# Altium PCB m2m V100.PcbDoc (part 2 of 2)
Units mil, origin at the board's own origin, x right, y up, seen from the top; angles counter-clockwise.
Board outline 4340.39 x 2650.03 mil, 2 copper layers (Top Layer, Bottom Layer); 190 components, 139 nets, 639 pads, 131 vias.
Unrouted connection lines stored in the file: 9.
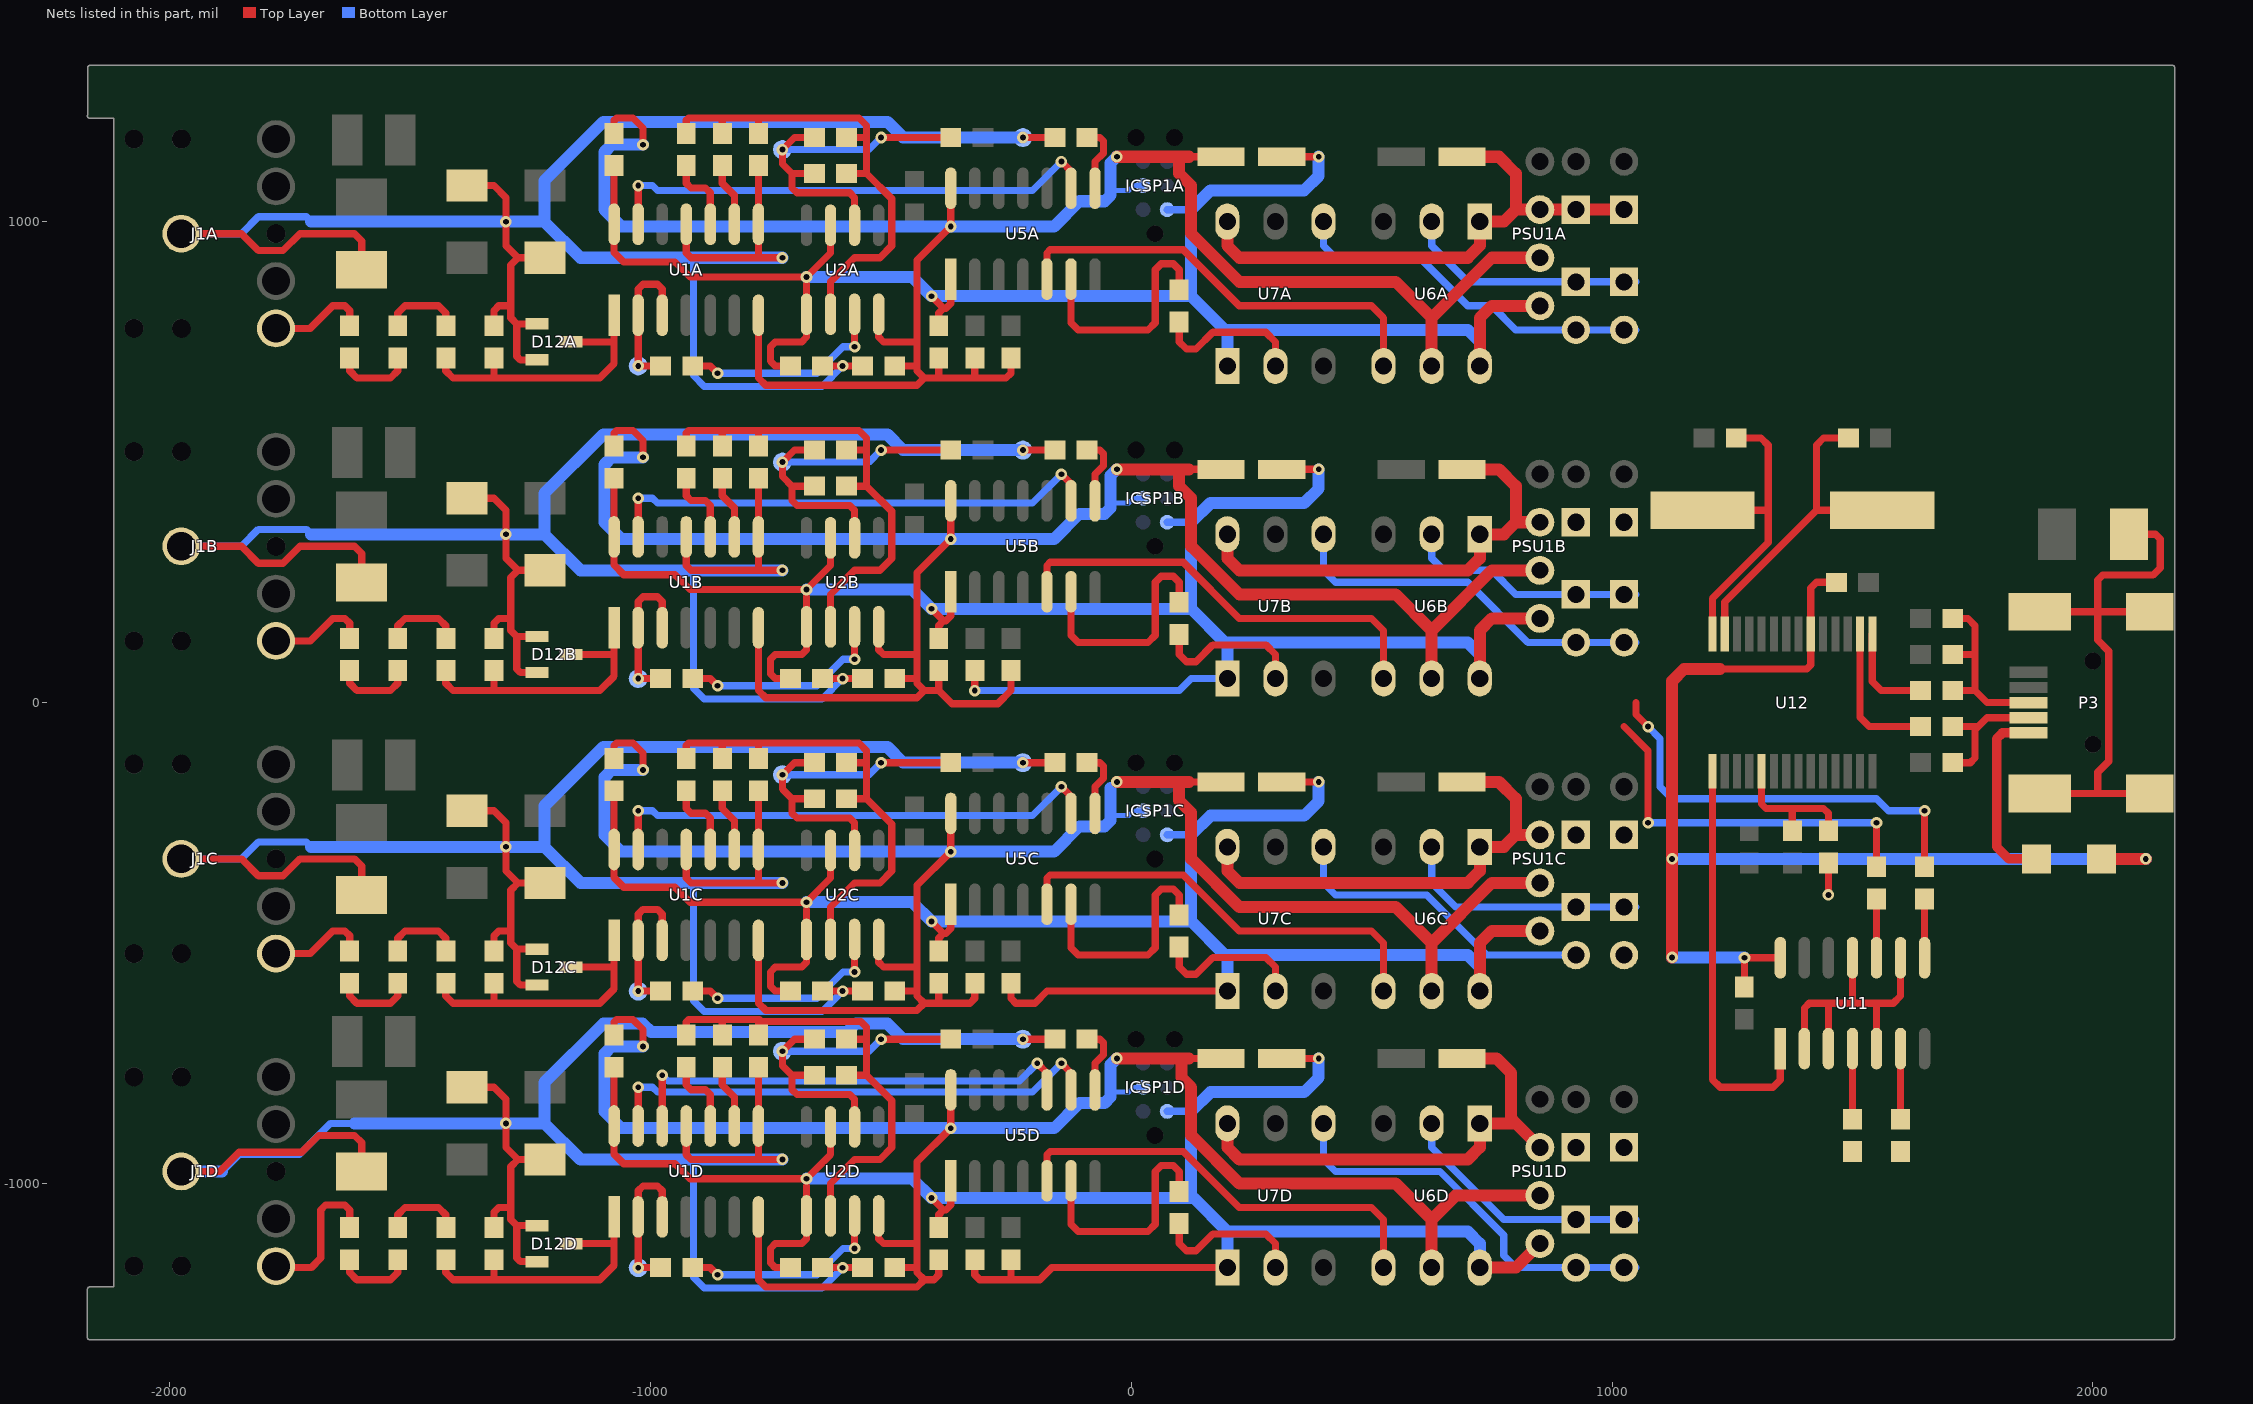
[diagram p2: the nets of this part, all layers, seen from the top]

## Via types
v1: diameter 24, hole 12, Top Layer to Bottom Layer, 131 vias

## Nets (pads, with @x,y where several pads share a name; then routed paths per layer and width w, separated by ;. In a path a pad name is that pad's centre, name@x,y a point inside that pad or via, vN(x,y) a via of type N, cw(c..) or ccw(c..) an arc to the next point about the centre after c; other vN are vias at no path point) (continued)
K_100D: U1D.12 U5D.10 | length 969.6
  Top Layer w15: U1D.12@-975,-880.51 v1(-975,-775) ; v1(-195,-750) -175,-770 U5D.10@-175,-805.51
  Bottom Layer w15: v1(-975,-775) -963,-787 -232,-787 v1(-195,-750)
NetC4A_1: C4A.1 R1A.2 R2A.2 R3A.2 R4A.1 U2A.2 | length 1058.2
  Top Layer w15: R3A.2@-925,1183.46 -925,1210.72 -920,1215.72 -565.72,1215.72 -550,1200 -550,1170 ; R2A.2@-850,1183.46 -850,1215.72 ; R1A.2@-775,1183.46 -775,1215.72 ; U2A.2@-625,807.48 -625,875 -575,925 -522.4,925 -497.69,949.71 -497.69,1047.69 -550,1100 ; C4A.1@-591.54,1100 -550,1100 ; R4A.1@-591.54,1175 -555,1175 -550,1170 ; -550,1100 -550,1170
NetC4A_2: C4A.2 R4A.2 R24A.1 TP2A.1 U2A.6 | length 767.8
  Top Layer w15: C4A.2@-658.46,1100 -705,1100 ; R4A.2@-658.46,1175 -700,1175 v1(-725,1150) -725,1120 -705,1100 ; U2A.6@-575,992.52 -575,1050 -585,1060 -695,1060 -705,1070 -705,1100 ; v1(-520,1175) R24A.1@-375,1175
  Bottom Layer w15: v1(-725,1150) -545,1150 v1(-520,1175)
NetC4B_1: C4B.1 R1B.2 R2B.2 R3B.2 R4B.1 U2B.2 | length 1058.2
  Top Layer w15: R3B.2@-925,533.46 -925,560.72 -920,565.72 -565.72,565.72 -550,550 -550,520 ; R2B.2@-850,533.46 -850,565.72 ; R1B.2@-775,533.46 -775,565.72 ; U2B.2@-625,157.48 -625,225 -575,275 -522.4,275 -497.69,299.71 -497.69,397.69 -550,450 ; C4B.1@-591.54,450 -550,450 ; R4B.1@-591.54,525 -555,525 -550,520 ; -550,450 -550,520
NetC4B_2: C4B.2 R4B.2 R24B.1 TP2B.1 U2B.6 | length 767.8
  Top Layer w15: C4B.2@-658.46,450 -705,450 ; R4B.2@-658.46,525 -700,525 v1(-725,500) -725,470 -705,450 ; U2B.6@-575,342.52 -575,400 -585,410 -695,410 -705,420 -705,450 ; v1(-520,525) R24B.1@-375,525
  Bottom Layer w15: v1(-725,500) -545,500 v1(-520,525)
NetC4C_1: C4C.1 R1C.2 R2C.2 R3C.2 R4C.1 U2C.2 | length 1058.2
  Top Layer w15: R3C.2@-925,-116.54 -925,-89.28 -920,-84.28 -565.72,-84.28 -550,-100 -550,-130 ; R2C.2@-850,-116.54 -850,-84.28 ; R1C.2@-775,-116.54 -775,-84.28 ; U2C.2@-625,-492.52 -625,-425 -575,-375 -522.4,-375 -497.69,-350.29 -497.69,-252.31 -550,-200 ; C4C.1@-591.54,-200 -550,-200 ; R4C.1@-591.54,-125 -555,-125 -550,-130 ; -550,-200 -550,-130
NetC4C_2: C4C.2 R4C.2 R24C.1 TP2C.1 U2C.6 | length 767.8
  Top Layer w15: C4C.2@-658.46,-200 -705,-200 ; R4C.2@-658.46,-125 -700,-125 v1(-725,-150) -725,-180 -705,-200 ; U2C.6@-575,-307.48 -575,-250 -585,-240 -695,-240 -705,-230 -705,-200 ; v1(-520,-125) R24C.1@-375,-125
  Bottom Layer w15: v1(-725,-150) -545,-150 v1(-520,-125)
NetC4D_1: C4D.1 R1D.2 R2D.2 R3D.2 R4D.1 U2D.2 | length 1058.2
  Top Layer w15: R3D.2@-925,-691.54 -925,-664.28 -920,-659.28 -773.25,-659.28 -769.53,-663 -562,-663 -550,-675 -550,-705 ; R2D.2@-850,-691.54 -850,-659.28 ; R1D.2@-775,-691.54 -775,-659.28 ; U2D.2@-625,-1067.52 -625,-1000 -575,-950 -522.4,-950 -497.69,-925.29 -497.69,-827.31 -550,-775 ; C4D.1@-591.54,-775 -550,-775 ; R4D.1@-591.54,-700 -555,-700 -550,-705 ; -550,-775 -550,-705
NetC4D_2: C4D.2 R4D.2 R24D.1 TP2D.1 U2D.6 | length 767.8
  Top Layer w15: C4D.2@-658.46,-775 -705,-775 ; R4D.2@-658.46,-700 -700,-700 v1(-725,-725) -725,-755 -705,-775 ; U2D.6@-575,-882.48 -575,-825 -585,-815 -695,-815 -705,-805 -705,-775 ; v1(-520,-700) R24D.1@-375,-700
  Bottom Layer w15: v1(-725,-725) -545,-725 v1(-520,-700)
NetC24_1: C24.1 U12.28 Y2.2 | length 650.2
  Top Layer w15: Y2.2@1187.99,400 1325,400 ; U12.28@1208.66,142.72 1208.66,216.34 1325,332.68 1325,400 ; C24.1@1258.46,550 1310,550 1325,535 1325,400
NetC25_1: C25.1 U12.27 Y2.1 | length 681
  Top Layer w15: U12.27@1234.25,142.72 1234.25,209.25 1425,400 ; C25.1@1491.54,550 1440,550 1425,535 1425,400 ; Y2.1@1562.01,400 1425,400
NetF2_1: F2.1 P3.1 | length 389
  Top Layer w20: P3.1@1866.14,-62.99 1812.01,-62.99 1800,-75 1800,-300 1825,-325 F2.1@1882.5,-325
NetL1_1: L1.1 P3.0 | length 1189.2
  Top Layer w15: P3.0@1889.76,-188.98 2010,-188.98 ; P3.0@1889.76,188.98 2010,188.98 ; L1.1@2075,350 2130,350 2140,340 2140,280 2125,265 2020,265 2010,255 2010,188.98 ; P3.0@2118.11,-188.98 2010,-188.98 ; P3.0@2118.11,188.98 2010,188.98 ; 2010,-188.98 2010,-145 2033.02,-121.98 2033.02,106.98 2010,130 2010,188.98
NetR2A_1: R2A.1 U1A.9 | length 132.4
  Top Layer w15: R2A.1@-850,1116.54 -850,1080 -825,1055 U1A.9@-825,994.49
NetR2B_1: R2B.1 U1B.9 | length 132.4
  Top Layer w15: R2B.1@-850,466.54 -850,430 -825,405 U1B.9@-825,344.49
NetR2C_1: R2C.1 U1C.9 | length 132.4
  Top Layer w15: R2C.1@-850,-183.46 -850,-220 -825,-245 U1C.9@-825,-305.51
NetR2D_1: R2D.1 U1D.9 | length 132.4
  Top Layer w15: R2D.1@-850,-758.46 -850,-795 -825,-820 U1D.9@-825,-880.51
NetR3A_1: R3A.1 U1A.10 | length 160.3
  Top Layer w15: R3A.1@-925,1116.54 -925,1080 -915,1070 -885,1070 -875,1060 U1A.10@-875,994.49
NetR3B_1: R3B.1 U1B.10 | length 160.3
  Top Layer w15: R3B.1@-925,466.54 -925,430 -915,420 -885,420 -875,410 U1B.10@-875,344.49
NetR3C_1: R3C.1 U1C.10 | length 160.3
  Top Layer w15: R3C.1@-925,-183.46 -925,-220 -915,-230 -885,-230 -875,-240 U1C.10@-875,-305.51
NetR3D_1: R3D.1 U1D.10 | length 160.3
  Top Layer w15: R3D.1@-925,-758.46 -925,-795 -915,-805 -885,-805 -875,-815 U1D.10@-875,-880.51
NetR5A_2: R5A.2 U2A.3 | length 433
  Top Layer w15: R5A.2@-911.54,700 -875,700 v1(-860,685) ; v1(-575,740) U2A.3@-575,807.48
  Bottom Layer w15: v1(-860,685) -653.89,685 -598.89,740 v1(-575,740)
NetR5B_2: R5B.2 U2B.3 | length 433
  Top Layer w15: R5B.2@-911.54,50 -875,50 v1(-860,35) ; v1(-575,90) U2B.3@-575,157.48
  Bottom Layer w15: v1(-860,35) -653.89,35 -598.89,90 v1(-575,90)
NetR5C_2: R5C.2 U2C.3 | length 433
  Top Layer w15: R5C.2@-911.54,-600 -875,-600 v1(-860,-615) ; v1(-575,-560) U2C.3@-575,-492.52
  Bottom Layer w15: v1(-860,-615) -653.89,-615 -598.89,-560 v1(-575,-560)
NetR5D_2: R5D.2 U2D.3 | length 433
  Top Layer w15: R5D.2@-911.54,-1175 -875,-1175 v1(-860,-1190) ; v1(-575,-1135) U2D.3@-575,-1067.52
  Bottom Layer w15: v1(-860,-1190) -653.89,-1190 -598.89,-1135 v1(-575,-1135)
NetR6A_2: R6A.2 R9A.1 | length 165.5
  Top Layer w15: R6A.2@-1625,716.54 -1625,690 -1610,675 -1575,675 -1540,675 -1525,690 R9A.1@-1525,716.54
NetR6B_2: R6B.2 R9B.1 | length 165.5
  Top Layer w15: R6B.2@-1625,66.54 -1625,40 -1610,25 -1575,25 -1540,25 -1525,40 R9B.1@-1525,66.54
NetR6C_2: R6C.2 R9C.1 | length 165.5
  Top Layer w15: R6C.2@-1625,-583.46 -1625,-610 -1610,-625 -1575,-625 -1540,-625 -1525,-610 R9C.1@-1525,-583.46
NetR6D_2: R6D.2 R9D.1 | length 165.5
  Top Layer w15: R6D.2@-1625,-1158.46 -1625,-1185 -1610,-1200 -1575,-1200 -1540,-1200 -1525,-1185 R9D.1@-1525,-1158.46
NetR8A_1: R8A.1 R9A.2 | length 165.5
  Top Layer w15: R9A.2@-1525,783.46 -1525,810 -1510,825 -1475,825 -1440,825 -1425,810 R8A.1@-1425,783.46
NetR8B_1: R8B.1 R9B.2 | length 165.5
  Top Layer w15: R9B.2@-1525,133.46 -1525,160 -1510,175 -1475,175 -1440,175 -1425,160 R8B.1@-1425,133.46
NetR8C_1: R8C.1 R9C.2 | length 165.5
  Top Layer w15: R9C.2@-1525,-516.54 -1525,-490 -1510,-475 -1475,-475 -1440,-475 -1425,-490 R8C.1@-1425,-516.54
NetR8D_1: R8D.1 R9D.2 | length 165.5
  Top Layer w15: R9D.2@-1525,-1091.54 -1525,-1065 -1510,-1050 -1475,-1050 -1440,-1050 -1425,-1065 R8D.1@-1425,-1091.54
NetR22A_1: R22A.1 U7A.2 | length 320.5
  Top Layer w15: R22A.1@100,791.54 100,750 115,735 135,735 170,770 280,770 300,750 U7A.2@300,700
NetR22B_1: R22B.1 U7B.2 | length 320.5
  Top Layer w15: R22B.1@100,141.54 100,100 115,85 135,85 170,120 280,120 300,100 U7B.2@300,50
NetR22C_1: R22C.1 U7C.2 | length 320.5
  Top Layer w15: R22C.1@100,-508.46 100,-550 115,-565 135,-565 170,-530 280,-530 300,-550 U7C.2@300,-600
NetR22D_1: R22D.1 U7D.2 | length 320.5
  Top Layer w15: R22D.1@100,-1083.46 100,-1125 115,-1140 135,-1140 170,-1105 280,-1105 300,-1125 U7D.2@300,-1175
NetR25_2: R25.2 U12.16 | length 307.2
  Top Layer w15: U12.16@1515.74,142.72 1515.74,-30.74 1535,-50 R25.2@1641.54,-50
NetR26_2: R26.2 U12.15 | length 207
  Top Layer w15: U12.15@1541.33,142.72 1541.33,43.67 1560,25 R26.2@1641.54,25
NetU11_2: U11.2 U11.3 U11.5 U11.9 U11.11 | length 659.9
  Top Layer w15: U11.2@1400,-719.49 1400,-635 1410,-625 1455,-625 ; U11.3@1450,-719.49 1450,-630 1455,-625 ; U11.11@1500,-530.51 1500,-625 ; U11.5@1550,-719.49 1550,-625 ; U11.9@1600,-530.51 1600,-610 1585,-625 1550,-625 ; 1455,-625 1500,-625 ; 1500,-625 1550,-625
RX_TTLA: U5A.5 U6A.4 | length 915.9
  Top Layer w15: U5A.5@-175,880.51 -175,935 -168.32,941.68 108.32,941.68 225,825 500,825 525,800 U6A.4@525,700
RX_TTLB: U5B.5 U6B.4 | length 915.9
  Top Layer w15: U5B.5@-175,230.51 -175,285 -168.32,291.68 108.32,291.68 225,175 500,175 525,150 U6B.4@525,50
RX_TTLC: U5C.5 U6C.4 | length 915.9
  Top Layer w15: U5C.5@-175,-419.49 -175,-365 -168.32,-358.32 108.32,-358.32 225,-475 500,-475 525,-500 U6C.4@525,-600
RX_TTLD: U5D.5 U6D.4 | length 915.9
  Top Layer w15: U5D.5@-175,-994.49 -175,-940 -168.32,-933.32 108.32,-933.32 225,-1050 500,-1050 525,-1075 U6D.4@525,-1175
SAMPLEA: R5A.1 TP1A.1 U1A.2 U1A.3 | length 319.3
  Top Layer w15: R5A.1@-978.46,700 v1(-1025,700) U1A.2@-1025,805.51 -1025,860 -1015,870 -985,870 -975,860 U1A.3@-975,805.51
SAMPLEB: R5B.1 TP1B.1 U1B.2 U1B.3 | length 319.3
  Top Layer w15: R5B.1@-978.46,50 v1(-1025,50) U1B.2@-1025,155.51 -1025,210 -1015,220 -985,220 -975,210 U1B.3@-975,155.51
SAMPLEC: R5C.1 TP1C.1 U1C.2 U1C.3 | length 319.3
  Top Layer w15: R5C.1@-978.46,-600 v1(-1025,-600) U1C.2@-1025,-494.49 -1025,-440 -1015,-430 -985,-430 -975,-440 U1C.3@-975,-494.49
SAMPLED: R5D.1 TP1D.1 U1D.2 U1D.3 | length 319.3
  Top Layer w15: R5D.1@-978.46,-1175 v1(-1025,-1175) U1D.2@-1025,-1069.49 -1025,-1015 -1015,-1005 -985,-1005 -975,-1015 U1D.3@-975,-1069.49
TTL_RX: R11.1 R12.2 U12.5 | length 298.2
  Top Layer w15: U12.5@1311.02,-142.72 1311.02,-211.02 1320,-220 1375,-220 ; R12.2@1375,-266.54 1375,-220 ; R11.1@1450,-266.54 1450,-230 1440,-220 1375,-220
TTL_RXA: LINK0A.2 LINK0B.2 LINK0C.2 LINK0D.2 LINK1A.2 LINK1B.2 LINK1C.2 LINK1D.2 R11.2 U7A.4 U7B.4 U7C.4 U7D.4 | length 3131.4
  Top Layer w15: v1(1450,-400) R11.2@1450,-333.46
  Bottom Layer w15: U7D.4@400,-875 400,-950 425,-975 642.47,-975 775,-1107.53 775,-1150 800,-1175 LINK0D.2@925,-1175 LINK1D.2@1025,-1175 LINK1D.2@1050,-1175 ; U7C.4@400,-300 400,-375 425,-400 614.6,-400 739.6,-525 LINK0C.2@925,-525 ; U7B.4@400,350 400,275 425,250 700,250 825,125 LINK0B.2@925,125 LINK1B.2@1025,125 LINK1B.2@1050,125 ; U7A.4@400,1000 400,950 425,925 600,925 700,825 750,825 800,775 LINK0A.2@925,775 LINK1A.2@1025,775 LINK1A.2@1050,775
TTL_TX: U11.1 U12.1 | length 860.8
  Top Layer w15: U12.1@1208.66,-142.72 1208.66,-783.66 1225,-800 1335,-800 1350,-785 U11.1@1350,-719.49
TTL_TX1: R20A.1 U11.8 | length 122
  Top Layer w15: U11.8@1650,-530.51 R20A.1@1650,-408.46
TTL_TX2: R20B.1 U11.10 | length 122
  Top Layer w15: U11.10@1550,-530.51 R20B.1@1550,-408.46
TTL_TX3: R20C.1 U11.4 | length 147
  Top Layer w15: R20C.1@1500,-866.54 1500,-785 U11.4@1500,-719.49
TTL_TX4: R20D.1 U11.6 | length 212.6
  Top Layer w15: R20D.1@1600,-866.54 U11.6@1600,-719.49 1600,-785
TX_TTLA: R22A.2 U5A.6 | length 489.8
  Top Layer w15: U5A.6@-125,880.51 -125,790 -110,775 35,775 50,790 50,900 62.5,912.5 87.5,912.5 100,900 R22A.2@100,858.46
TX_TTLB: R22B.2 U5B.6 | length 489.8
  Top Layer w15: U5B.6@-125,230.51 -125,140 -110,125 35,125 50,140 50,250 62.5,262.5 87.5,262.5 100,250 R22B.2@100,208.46
TX_TTLC: R22C.2 U5C.6 | length 489.8
  Top Layer w15: U5C.6@-125,-419.49 -125,-510 -110,-525 35,-525 50,-510 50,-400 62.5,-387.5 87.5,-387.5 100,-400 R22C.2@100,-441.54
TX_TTLD: R22D.2 U5D.6 | length 489.8
  Top Layer w15: U5D.6@-125,-994.49 -125,-1085 -110,-1100 35,-1100 50,-1085 50,-975 62.5,-962.5 87.5,-962.5 100,-975 R22D.2@100,-1016.54
TXLNKA: LINK0A.1 LINK1A.1 R20A.2 U6A.2 | length 1389
  Top Layer w15: 1050,0 1050,-25 v1(1075,-50) ; R20A.2@1650,-341.54 v1(1650,-225)
  Bottom Layer w15: U6A.2@625,1000 625,950 700,875 LINK0A.1@925,875 LINK1A.1@1025,875 LINK1A.1@1050,875 ; v1(1075,-50) 1100,-75 1100,-175 1125,-200 1550,-200 1575,-225 v1(1650,-225)
TXLNKB: LINK0B.1 LINK1B.1 R20B.2 U6B.2 | length 1293.3
  Top Layer w15: 1025,-50 1075,-100 v1(1075,-250) ; R20B.2@1550,-341.54 v1(1550,-250)
  Bottom Layer w15: U6B.2@625,350 625,300 650,275 750,275 800,225 LINK0B.1@925,225 LINK1B.1@1025,225 LINK1B.1@1050,225 ; v1(1075,-250) v1(1550,-250)
TXLNKC: LINK0C.1 LINK1C.1 R20C.2 U6C.2 | length 520.7
  Bottom Layer w15: U6C.2@625,-300 625,-375 675,-425 LINK0C.1@925,-425 LINK1C.1@1025,-425 LINK1C.1@1050,-425
TXLNKD: LINK0D.1 LINK1D.1 R20D.2 U6D.2 | length 537.1
  Bottom Layer w15: U6D.2@625,-875 625,-925 775,-1075 LINK0D.1@925,-1075 LINK1D.1@1025,-1075 LINK1D.1@1050,-1075
USB+: D11.2 P3.3 R26.1 R28.2 | length 402.3
  Top Layer w15: R26.1@1708.46,25 1755,25 ; D11.2@1708.46,100 1755,100 ; R28.2@1708.46,175 1740,175 1755,160 1755,100 ; P3.3@1866.14,0 1780,0 1755,25 ; 1755,25 1755,100
USB-: D10.2 P3.2 R25.1 | length 283.7
  Top Layer w15: D10.2@1708.46,-125 1745,-125 1755,-115 1755,-56.5 1761.5,-50 ; R25.1@1708.46,-50 1761.5,-50 ; P3.2@1866.14,-31.5 1780,-31.5 1761.5,-50
V2.048A: R18A.1 U5A.8 | length 142.4
  Top Layer w15: R18A.1@-91.54,1175 -65,1175 -57.5,1167.5 -57.5,1142.5 -75,1125 U5A.8@-75,1069.49
V2.048B: R18B.1 U5B.8 | length 142.4
  Top Layer w15: R18B.1@-91.54,525 -65,525 -57.5,517.5 -57.5,492.5 -75,475 U5B.8@-75,419.49
V2.048C: R18C.1 U5C.8 | length 142.4
  Top Layer w15: R18C.1@-91.54,-125 -65,-125 -57.5,-132.5 -57.5,-157.5 -75,-175 U5C.8@-75,-230.51
V2.048D: R18D.1 U5D.8 | length 142.4
  Top Layer w15: R18D.1@-91.54,-700 -65,-700 -57.5,-707.5 -57.5,-732.5 -75,-750 U5D.8@-75,-805.51
V_GND1: C2A.1 C3A.2 D1A.2 D2A.1 D12A.1 D12A.2 J1A.1 R1A.1 R7A.1 R10A.2 R18A.2 TP3A.1 U1A.8 U1A.11 | length 4757.9
  Top Layer w15: J1A.1@-1975,975 -1850,975 -1814.81,939.81 -1763.58,939.81 -1728.39,975 -1615,975 -1600,960 R7A.1@-1600,900 ; D2A.1@-1381,1075 -1325,1075 -1300,1050 v1(-1300,1000) -1300,950 -1275,925 ; R10A.2@-1325,783.46 -1325,815 -1315,825 -1290,825 ; D12A.2@-1235.43,712.6 -1270,712.6 -1277.4,720 -1277.4,787.4 ; D12A.1@-1235.43,787.4 -1277.4,787.4 ; D1A.2@-1219,925 -1275,925 ; U1A.11@-925,994.49 -925,935 -915,925 -775,925 ; R1A.1@-775,1116.54 U1A.8@-775,994.49 -775,925 ; v1(-725,925) -775,925 ; C2A.1@-641.54,700 v1(-600,700) C3A.2@-558.46,700 ; v1(-225,1175) R18A.2@-158.46,1175 ; -1290,825 -1290,800 -1277.4,787.4 ; -1290,825 -1290,910 -1275,925
  Bottom Layer w15: J1A.1@-1975,975 -1850,975 -1814.81,1010.19 -1715.19,1010.19 -1705,1000 ; -910,925 -910,680 -887.5,657.5 -642.5,657.5 v1(-600,700)
  Bottom Layer w25: -1705,1000 v1(-1300,1000) -1220,1000 ; v1(-725,925) -910,925 -1145,925 -1220,1000 ; v1(-225,1175) -474.04,1175 -506.54,1207.5 -1097.5,1207.5 -1220,1085 -1220,1000
V_GND2: C2B.1 C3B.2 D1B.2 D2B.1 D12B.1 D12B.2 J1B.1 R1B.1 R7B.1 R10B.2 R18B.2 TP3B.1 U1B.8 U1B.11 | length 4757.9
  Top Layer w15: J1B.1@-1975,325 -1850,325 -1814.81,289.81 -1763.58,289.81 -1728.39,325 -1615,325 -1600,310 R7B.1@-1600,250 ; D2B.1@-1381,425 -1325,425 -1300,400 v1(-1300,350) -1300,300 -1275,275 ; R10B.2@-1325,133.46 -1325,165 -1315,175 -1290,175 ; D12B.2@-1235.43,62.6 -1270,62.6 -1277.4,70 -1277.4,137.4 ; D12B.1@-1235.43,137.4 -1277.4,137.4 ; D1B.2@-1219,275 -1275,275 ; U1B.11@-925,344.49 -925,285 -915,275 -775,275 ; R1B.1@-775,466.54 U1B.8@-775,344.49 -775,275 ; v1(-725,275) -775,275 ; C2B.1@-641.54,50 v1(-600,50) C3B.2@-558.46,50 ; v1(-225,525) R18B.2@-158.46,525 ; -1290,175 -1290,150 -1277.4,137.4 ; -1290,175 -1290,260 -1275,275
  Bottom Layer w15: J1B.1@-1975,325 -1850,325 -1814.81,360.19 -1715.19,360.19 -1705,350 ; -910,275 -910,30 -887.5,7.5 -642.5,7.5 v1(-600,50)
  Bottom Layer w25: -1705,350 v1(-1300,350) -1220,350 ; v1(-725,275) -910,275 -1145,275 -1220,350 ; v1(-225,525) -474.04,525 -506.54,557.5 -1097.5,557.5 -1220,435 -1220,350
V_GND3: C2C.1 C3C.2 D1C.2 D2C.1 D12C.1 D12C.2 J1C.1 R1C.1 R7C.1 R10C.2 R18C.2 TP3C.1 U1C.8 U1C.11 | length 4743.8
  Top Layer w15: J1C.1@-1975,-325 -1850,-325 -1814.81,-360.19 -1763.58,-360.19 -1728.39,-325 -1615,-325 -1600,-340 R7C.1@-1600,-400 ; D2C.1@-1381,-225 -1325,-225 -1300,-250 v1(-1300,-300) -1300,-350 -1275,-375 ; R10C.2@-1325,-516.54 -1325,-485 -1315,-475 -1290,-475 ; D12C.2@-1235.43,-587.4 -1270,-587.4 -1277.4,-580 -1277.4,-512.6 ; D12C.1@-1235.43,-512.6 -1277.4,-512.6 ; D1C.2@-1219,-375 -1275,-375 ; U1C.11@-925,-305.51 -925,-365 -915,-375 -775,-375 ; R1C.1@-775,-183.46 U1C.8@-775,-305.51 -775,-375 ; v1(-725,-375) -775,-375 ; C2C.1@-641.54,-600 v1(-600,-600) C3C.2@-558.46,-600 ; v1(-225,-125) R18C.2@-158.46,-125 ; -1290,-475 -1290,-500 -1277.4,-512.6 ; -1290,-475 -1290,-390 -1275,-375
  Bottom Layer w15: J1C.1@-1975,-325 -1850,-325 -1814.81,-289.81 -1715.19,-289.81 -1705,-300 ; -910,-375 -910,-620 -887.5,-642.5 -642.5,-642.5 -610,-610
  Bottom Layer w25: -1705,-300 v1(-1300,-300) -1220,-300 ; v1(-725,-375) -910,-375 -1145,-375 -1220,-300 ; v1(-225,-125) -474.04,-125 -506.54,-92.5 -1097.5,-92.5 -1220,-215 -1220,-300
V_GND4: C2D.1 C3D.2 D1D.2 D2D.1 D12D.1 D12D.2 J1D.1 R1D.1 R7D.1 R10D.2 R18D.2 TP3D.1 U1D.8 U1D.11 | length 4797
  Top Layer w15: J1D.1@-1975,-975 -1895,-975 -1855,-935 -1725,-935 -1690,-900 -1615,-900 -1600,-915 R7D.1@-1600,-975 ; D2D.1@-1381,-800 -1325,-800 -1300,-825 v1(-1300,-875) -1300,-925 -1275,-950 ; R10D.2@-1325,-1091.54 -1325,-1060 -1315,-1050 -1290,-1050 ; D12D.2@-1235.43,-1162.4 -1270,-1162.4 -1277.4,-1155 -1277.4,-1087.6 ; D12D.1@-1235.43,-1087.6 -1277.4,-1087.6 ; D1D.2@-1219,-950 -1275,-950 ; U1D.11@-925,-880.51 -925,-940 -915,-950 -775,-950 ; R1D.1@-775,-758.46 U1D.8@-775,-880.51 -775,-950 ; v1(-725,-950) -775,-950 ; C2D.1@-641.54,-1175 v1(-600,-1175) C3D.2@-558.46,-1175 ; v1(-225,-700) R18D.2@-158.46,-700 ; -1290,-1050 -1290,-1075 -1277.4,-1087.6 ; -1290,-1050 -1290,-965 -1275,-950
  Bottom Layer w15: -1890,-975 -1854.81,-939.81 -1729.81,-939.81 -1665,-875 -1615,-875 ; -910,-950 -910,-1195 -887.5,-1217.5 -642.5,-1217.5 v1(-600,-1175)
  Bottom Layer w25: J1D.1@-1975,-975 -1890,-975 ; -1615,-875 v1(-1300,-875) -1220,-875 ; v1(-725,-950) -910,-950 -1145,-950 -1220,-875 ; v1(-225,-700) -474.04,-700 -506.54,-667.5 -572.5,-667.5 -589.81,-684.81 -741.65,-684.81 -741.83,-685 -998.33,-685 -1015.83,-667.5 -1097.5,-667.5 -1220,-790 -1220,-875
V_SELECT1: U1A.13 U5A.9 | length 1053.3
  Top Layer w15: U1A.13@-1025,994.49 v1(-1025,1075) ; v1(-145,1125) -125,1105 U5A.9@-125,1069.49
  Bottom Layer w15: v1(-1025,1075) -995,1075 -985,1065 -205,1065 v1(-145,1125)
V_SELECT2: U1B.13 U5B.9 | length 1053.3
  Top Layer w15: U1B.13@-1025,344.49 v1(-1025,425) ; v1(-145,475) -125,455 U5B.9@-125,419.49
  Bottom Layer w15: v1(-1025,425) -995,425 -985,415 -205,415 v1(-145,475)
V_SELECT3: U1C.13 U5C.9 | length 1053.3
  Top Layer w15: U1C.13@-1025,-305.51 v1(-1025,-225) ; v1(-145,-175) -125,-195 U5C.9@-125,-230.51
  Bottom Layer w15: v1(-1025,-225) -995,-225 -985,-235 -205,-235 v1(-145,-175)
V_SELECT4: U1D.13 U5D.9 | length 1053.3
  Top Layer w15: U1D.13@-1025,-880.51 v1(-1025,-800) ; v1(-145,-750) -125,-770 U5D.9@-125,-805.51
  Bottom Layer w15: v1(-1025,-800) -995,-800 -985,-810 -205,-810 v1(-145,-750)
VCC: C10A.1 C10B.1 C10C.1 C10D.1 C21.2 C22.1 F2.2 LINK2A.1 LINK2B.1 LINK2C.1 LINK2D.1 LINK3A.1 LINK3B.1 LINK3C.1 LINK3D.1 PSU1A.2 PSU1B.2 PSU1C.2 PSU1D.2 U6A.1 U6B.1 U6C.1 U6D.1 U7A.6 U7B.6 U7C.6 U7D.6 U11.14 U12.20 | length 6596.8
  Top Layer w15: 1225,70 1405,70 1413.38,78.38 U12.20@1413.38,142.72 1413.38,238.38 1425,250 C22.1@1466.54,250 ; C21.2@1275,-591.54 1275.51,-591.02 v1(1275.51,-530.51) U11.14@1350,-530.51
  Top Layer w25: U7D.6@200,-875 200,-925 225,-950 700,-950 725,-925 U6D.1@725,-875 800,-875 ; U7C.6@200,-300 200,-350 225,-375 700,-375 725,-350 U6C.1@725,-300 775,-300 800,-275 ; U7B.6@200,350 200,300 225,275 700,275 725,300 U6B.1@725,350 775,350 800,375 ; U7A.6@200,1000 200,950 225,925 700,925 725,950 U6A.1@725,1000 775,1000 800,1025 ; C10D.1@687.99,-740 760,-740 790,-770 790,-865 800,-875 ; C10C.1@687.99,-165 765,-165 800,-200 800,-275 ; C10B.1@687.99,485 765,485 800,450 800,375 ; C10A.1@687.99,1135 765,1135 800,1100 800,1025 ; PSU1D.2@850,-925 800,-875 ; PSU1C.2@850,-275 800,-275 ; PSU1B.2@850,375 800,375 ; LINK3A.1@1025,1025 LINK2A.1@925,1025 PSU1A.2@850,1025 800,1025 ; v1(1125,-530) v1(1125,-325) 1125,45 1150,70 1225,70 ; F2.2@2017.5,-325 v1(2110,-325)
  Bottom Layer w25: v1(1125,-530) 1125.51,-530.51 v1(1275.51,-530.51) ; v1(1125,-325) v1(2110,-325)
VNEG1: C1A.1 C3A.1 C5A.2 C15A.1 ICSP1A.3 PSU1A.3 R30.2 R31.2 U1A.7 U2A.4 U5A.14 U6A.5 | length 4325.2
  Top Layer w15: C1A.1@-1075,1183.46 -1075,1210.72 -1070,1215.72 -1035.72,1215.72 -1015,1195 v1(-1015,1160) ; U1A.7@-775,805.51 -775,675 -760,660 -445,660 -430,675 ; U2A.4@-525,807.48 -525,760 -515,750 -445,750 ; C3A.1@-491.54,700 -445,700 ; C15A.1@-400,716.54 -400,675 ; U5A.14@-375,1069.49 v1(-375,990) -445,920 -445,750 ; -325,675 R31.2@-325,716.54 ; R30.2@-250,716.54 -250,685 -260,675 -400,675 ; 120,1135 C5A.2@187.01,1135 ; -445,700 -445,690 -430,675 ; -445,700 -445,750 ; -430,675 -400,675
  Top Layer w25: v1(-29.5,1135) 100,1135 ; 120,1135 100,1135 ; U6A.5@625,700 625,800 ; PSU1A.3@850,925 750,925 625,800 ; 100,1135 100,1100 125,1075 125,975 225,875 550,875 625,800
  Bottom Layer w10: -42.5,1055 -32.5,1065 -4.64,1065 5.36,1075 ICSP1A.3@25,1075
  Bottom Layer w25: v1(-1015,1160) -1080,1160 -1095,1145 -1095,1025 -1060,990 v1(-375,990) -160,990 -107.5,1042.5 -55,1042.5 -42.5,1055 -42.5,1122.5 -30,1135 v1(-29.5,1135)
VNEG2: C1B.1 C3B.1 C5B.2 C15B.1 ICSP1B.3 PSU1B.3 R32.2 U1B.7 U2B.4 U5B.14 U6B.5 | length 4312.3
  Top Layer w15: C1B.1@-1075,533.46 -1075,560.72 -1070,565.72 -1035.72,565.72 -1015,545 v1(-1015,510) ; U1B.7@-775,155.51 -775,25 -760,10 -445,10 -430,25 ; U2B.4@-525,157.48 -525,110 -515,100 -445,100 ; C3B.1@-491.54,50 -445,50 ; C15B.1@-400,66.54 -400,25 ; U5B.14@-375,419.49 v1(-375,340) -445,270 -445,100 ; R32.2@-250,66.54 -250,25 -277.5,-2.5 -372.5,-2.5 -400,25 ; 120,485 C5B.2@187.01,485 ; -445,50 -445,100 ; -445,50 -445,40 -430,25 ; -430,25 -400,25
  Top Layer w25: v1(-29.5,485) 100,485 ; 120,485 100,485 ; U6B.5@625,50 625,150 ; PSU1B.3@850,275 750,275 625,150 ; 100,485 100,450 125,425 125,325 225,225 550,225 625,150
  Bottom Layer w10: -42.5,405 -32.5,415 -4.64,415 5.36,425 ICSP1B.3@25,425
  Bottom Layer w25: v1(-1015,510) -1080,510 -1095,495 -1095,375 -1060,340 v1(-375,340) -160,340 -107.5,392.5 -55,392.5 -42.5,405 -42.5,472.5 -30,485 v1(-29.5,485)
VNEG3: C1C.1 C3C.1 C5C.2 C15C.1 ICSP1C.3 PSU1C.3 R35.2 U1C.7 U2C.4 U5C.14 U6C.5 | length 4190.5
  Top Layer w15: C1C.1@-1075,-116.54 -1075,-89.28 -1070,-84.28 -1035.72,-84.28 -1015,-105 v1(-1015,-140) ; U1C.7@-775,-494.49 -775,-625 -760,-640 -445,-640 -430,-625 ; U2C.4@-525,-492.52 -525,-540 -515,-550 -445,-550 ; C3C.1@-491.54,-600 -445,-600 ; C15C.1@-400,-583.46 -400,-625 ; U5C.14@-375,-230.51 v1(-375,-310) -445,-380 -445,-550 ; R35.2@-325,-583.46 -325,-615 -335,-625 -400,-625 ; 120,-165 C5C.2@187.01,-165 ; -445,-600 -445,-550 ; -445,-600 -445,-610 -430,-625 ; -430,-625 -400,-625
  Top Layer w25: v1(-29.5,-165) 100,-165 ; 120,-165 100,-165 ; U6C.5@625,-600 625,-500 ; PSU1C.3@850,-375 750,-375 625,-500 ; 100,-165 100,-204.04 125,-229.04 125,-325 225,-425 550,-425 625,-500
  Bottom Layer w10: -42.5,-245 -32.5,-235 -4.64,-235 5.36,-225 ICSP1C.3@25,-225
  Bottom Layer w25: v1(-1015,-140) -1080,-140 -1095,-155 -1095,-275 -1060,-310 v1(-375,-310) -160,-310 -107.5,-257.5 -55,-257.5 -42.5,-245 -42.5,-177.5
VNEG4: C1D.1 C3D.1 C5D.2 C15D.1 ICSP1D.3 PSU1D.3 U1D.7 U2D.4 U5D.14 U6D.5 | length 4035.7
  Top Layer w15: C1D.1@-1075,-691.54 -1075,-664.28 -1070,-659.28 -1035.72,-659.28 -1015,-680 v1(-1015,-715) ; U1D.7@-775,-1069.49 -775,-1200 -760,-1215 -445,-1215 -430,-1200 ; U2D.4@-525,-1067.52 -525,-1115 -515,-1125 -445,-1125 ; C3D.1@-491.54,-1175 -445,-1175 ; -400,-1181.72 -400,-1190 -410,-1200 -430,-1200 ; U5D.14@-375,-805.51 v1(-375,-885) -445,-955 -445,-1125 ; 120,-740 C5D.2@187.01,-740 ; -445,-1175 -445,-1125 ; -445,-1175 -445,-1185 -430,-1200
  Top Layer w25: v1(-29.5,-740) 105,-740 ; 120,-740 105,-740 ; U6D.5@625,-1175 625,-1075 ; PSU1D.3@850,-1025 675,-1025 625,-1075 ; 105,-740 105,-780 125,-800 125,-900 225,-1000 550,-1000 625,-1075
  Bottom Layer w10: -42.5,-820 -32.5,-810 -4.64,-810 5.36,-800 ICSP1D.3@25,-800
  Bottom Layer w25: v1(-1015,-715) -1080,-715 -1095,-730 -1095,-850 -1060,-885 v1(-375,-885) -160,-885 -107.5,-832.5 -55,-832.5 -42.5,-820 -42.5,-752.5 -30,-740 v1(-29.5,-740)
VOLTS_IN_1A: J1A.2 R6A.1 | length 208.2
  Top Layer w15: J1A.2@-1778.15,778.15 -1706.85,778.15 -1660,825 -1635,825 -1625,815 R6A.1@-1625,783.46
VOLTS_IN_1B: J1B.2 R6B.1 | length 208.2
  Top Layer w15: J1B.2@-1778.15,128.15 -1706.85,128.15 -1660,175 -1635,175 -1625,165 R6B.1@-1625,133.46
VOLTS_IN_1C: J1C.2 R6C.1 | length 208.2
  Top Layer w15: J1C.2@-1778.15,-521.85 -1706.85,-521.85 -1660,-475 -1635,-475 -1625,-485 R6C.1@-1625,-516.54
VOLTS_IN_1D: J1D.2 R6D.1 | length 307.6
  Top Layer w15: J1D.2@-1778.15,-1171.85 -1775,-1175 -1705,-1175 -1685,-1155 -1685,-1055 -1675,-1045 -1635,-1045 -1625,-1055 R6D.1@-1625,-1091.54
VPOS1: C1A.2 C2A.2 C5A.1 C15A.2 ICSP1A.2 PSU1A.4 U1A.14 U2A.1 U2A.7 U5A.1 U6A.6 U7A.1 | length 3589.3
  Top Layer w15: C1A.2@-1075,1116.54 U1A.14@-1075,994.49 -1075,936 -1055,916 -948.47,916 -917.47,885 v1(-675,885) -625,935 U2A.7@-625,980 ; C2A.2@-708.46,700 -740,700 -750,710 -750,740 -740,750 -685,750 -675,760 U2A.1@-675,807.48 -675,870 ; v1(-415,845) -390,820 ; C15A.2@-400,783.46 -400,810 -390,820 ; U5A.1@-375,880.51 -375,830 -385,820 -390,820 ; C5A.1@312.99,1135 v1(390,1135)
  Top Layer w25: U6A.6@725,700 725,800 750,825 PSU1A.4@850,825
  Bottom Layer w15: ICSP1A.2@75,1025 125,1025
  Bottom Layer w25: v1(-675,885) -455,885 v1(-415,845) 125,845 ; U7A.1@200,700 200,775 ; v1(390,1135) 390,1095 360,1065 165,1065 125,1025 125,845 ; U6A.6@725,700 725,750 700,775 200,775 ; 125,845 195,775 200,775
VPOS2: C1B.2 C2B.2 C5B.1 C15B.2 ICSP1B.2 PSU1B.4 R33.2 U1B.14 U2B.1 U2B.7 U5B.1 U6B.6 U7B.1 | length 4166.2
  Top Layer w15: C1B.2@-1075,466.54 U1B.14@-1075,344.49 -1075,286 -1055,266 -948.47,266 -917.47,235 v1(-675,235) -625,285 U2B.7@-625,330 ; C2B.2@-708.46,50 -740,50 -750,60 -750,90 -740,100 -685,100 -675,110 U2B.1@-675,157.48 -675,220 ; v1(-415,195) -390,170 ; C15B.2@-400,133.46 -400,160 -390,170 ; U5B.1@-375,230.51 -375,180 -385,170 -390,170 ; v1(-325,25) R33.2@-325,66.54 ; C5B.1@312.99,485 v1(390,485)
  Top Layer w25: U6B.6@725,50 725,150 750,175 PSU1B.4@850,175
  Bottom Layer w15: v1(-325,25) 100,25 125,50 U7B.1@200,50 ; ICSP1B.2@75,375 125,375
  Bottom Layer w25: v1(-675,235) -455,235 v1(-415,195) 125,195 ; U7B.1@200,50 200,125 ; v1(390,485) 390,445 360,415 165,415 125,375 125,195 ; U6B.6@725,50 725,100 700,125 200,125 ; 125,195 195,125 200,125
VPOS3: C1C.2 C2C.2 C5C.1 C15C.2 ICSP1C.2 PSU1C.4 R34.2 U1C.14 U2C.1 U2C.7 U5C.1 U6C.6 U7C.1 | length 4085.3
  Top Layer w15: C1C.2@-1075,-183.46 U1C.14@-1075,-305.51 -1075,-364 -1055,-384 -948.47,-384 -917.47,-415 v1(-675,-415) -625,-365 U2C.7@-625,-320 ; C2C.2@-708.46,-600 -740,-600 -750,-590 -750,-560 -740,-550 -685,-550 -675,-540 U2C.1@-675,-492.52 -675,-430 ; v1(-415,-455) -390,-480 ; C15C.2@-400,-516.54 -400,-490 -390,-480 ; U5C.1@-375,-419.49 -375,-470 -385,-480 -390,-480 ; R34.2@-250,-583.46 -250,-615 -240,-625 -200,-625 -175,-600 U7C.1@200,-600 ; C5C.1@312.99,-165 v1(390,-165)
  Top Layer w25: U6C.6@725,-600 725,-500 750,-475 PSU1C.4@850,-475
  Bottom Layer w15: ICSP1C.2@75,-275 125,-275
  Bottom Layer w25: v1(-675,-415) -455,-415 v1(-415,-455) 125,-455 ; U7C.1@200,-600 200,-525 ; v1(390,-165) 390,-205 360,-235 165,-235 125,-275 125,-455 ; U6C.6@725,-600 725,-550 700,-525 200,-525 ; 125,-455 195,-525 200,-525
VPOS4: C1D.2 C2D.2 C5D.1 C15D.2 ICSP1D.2 PSU1D.4 R36.2 R37.2 U1D.14 U2D.1 U2D.7 U5D.1 U6D.6 U7D.1 | length 4079
  Top Layer w15: C1D.2@-1075,-758.46 U1D.14@-1075,-880.51 -1075,-939 -1055,-959 -948.47,-959 -917.47,-990 v1(-675,-990) -625,-940 U2D.7@-625,-895 ; C2D.2@-708.46,-1175 -740,-1175 -750,-1165 -750,-1135 -740,-1125 -685,-1125 -675,-1115 U2D.1@-675,-1067.52 -675,-1005 ; v1(-415,-1030) -390,-1055 ; C15D.2@-400,-1091.54 -400,-1065 -390,-1055 ; U5D.1@-375,-994.49 -375,-1045 -385,-1055 -390,-1055 ; -325,-1181.72 -325,-1190 -315,-1200 -190,-1200 -165,-1175 U7D.1@200,-1175 ; -250,-1190 R36.2@-250,-1158.46 ; C5D.1@312.99,-740 v1(390,-740)
  Top Layer w25: U6D.6@725,-1175 800,-1175 PSU1D.4@850,-1125
  Bottom Layer w15: ICSP1D.2@75,-850 125,-850
  Bottom Layer w25: v1(-675,-990) -455,-990 v1(-415,-1030) 125,-1030 ; U7D.1@200,-1175 200,-1100 ; v1(390,-740) 390,-780 360,-810 165,-810 125,-850 125,-1030 ; U6D.6@725,-1175 725,-1125 700,-1100 200,-1100 ; 125,-1030 130,-1030 200,-1100
VTAPA: D12A.3 R8A.2 R10A.1 U1A.1 | length 626.8
  Top Layer w15: R8A.2@-1425,716.54 -1425,690 -1410,675 -1325,675 ; R10A.1@-1325,716.54 -1325,675 ; D12A.3@-1164.57,750 -1075,750 ; U1A.1@-1075,805.51 -1075,750 ; -1325,675 -1105,675 -1075,705 -1075,750
VTAPB: D12B.3 R8B.2 R10B.1 U1B.1 | length 626.8
  Top Layer w15: R8B.2@-1425,66.54 -1425,40 -1410,25 -1325,25 ; R10B.1@-1325,66.54 -1325,25 ; D12B.3@-1164.57,100 -1075,100 ; U1B.1@-1075,155.51 -1075,100 ; -1325,25 -1105,25 -1075,55 -1075,100
VTAPC: D12C.3 R8C.2 R10C.1 U1C.1 | length 626.8
  Top Layer w15: R8C.2@-1425,-583.46 -1425,-610 -1410,-625 -1325,-625 ; R10C.1@-1325,-583.46 -1325,-625 ; D12C.3@-1164.57,-550 -1075,-550 ; U1C.1@-1075,-494.49 -1075,-550 ; -1325,-625 -1105,-625 -1075,-595 -1075,-550
VTAPD: D12D.3 R8D.2 R10D.1 U1D.1 | length 626.8
  Top Layer w15: R8D.2@-1425,-1158.46 -1425,-1185 -1410,-1200 -1325,-1200 ; R10D.1@-1325,-1158.46 -1325,-1200 ; D12D.3@-1164.57,-1125 -1075,-1125 ; U1D.1@-1075,-1069.49 -1075,-1125 ; -1325,-1200 -1105,-1200 -1075,-1170 -1075,-1125
pads on no net: ICSP1A.6 ICSP1A.A ICSP1A.B ICSP1A.C ICSP1B.6 ICSP1B.A ICSP1B.B ICSP1B.C ICSP1C.6 ICSP1C.A ICSP1C.B ICSP1C.C ICSP1D.6 ICSP1D.A ICSP1D.B ICSP1D.C J1A.0 J1A.3 J1A.4 J1B.0 J1B.3 J1B.4 J1C.0 J1C.3 J1C.4 J1D.0 J1D.3 J1D.4 P3.4 P3.MT U2A.5 U2A.8 U2B.5 U2B.8 U2C.5 U2C.8 U2D.5 U2D.8 U6A.3 U6B.3 U6C.3 U6D.3 U7A.3 U7B.3 U7C.3 U7D.3 U11.12 U12.2 U12.3 U12.6 U12.8 U12.9 U12.10 U12.11 U12.12 U12.13 U12.14 U12.21 U12.22 U12.23 U12.24
copper on no net:
  other v1: -365,-1210 50,-1125 -175,-1100 -175,-550 50,-550 -175,75 25,75 -175,700 25,700 0,900

## Polygon pours and split planes (outlines as drawn)
VNEG1 on Bottom Layer "Mechanical 3-No Net" (solid, remove dead copper, shelved, pour order 8): -450,1250 -450,650 150,650 150,1250 -450,1250
V_GND1 on Bottom Layer "Mechanical 3-No Net" (solid, remove dead copper, shelved, pour order 6): -2100,1250 -2100,650 -475,650 -475,1250 -2100,1250
V_GND2 on Bottom Layer "Mechanical 3-No Net" (solid, remove dead copper, shelved, pour order 6): -2100,600 -2100,0 -475,0 -475,600 -2100,600
V_GND3 on Bottom Layer "Mechanical 3-No Net" (solid, remove dead copper, shelved, pour order 6): -2100,-50 -2100,-650 -475,-650 -475,-50 -2100,-50
V_GND4 on Bottom Layer "Mechanical 3-No Net" (solid, remove dead copper, shelved, pour order 6): -2100,-700 -2100,-1300 -475,-1300 -475,-700 -2100,-700
VNEG2 on Bottom Layer "Mechanical 3-No Net" (solid, remove dead copper, shelved, pour order 8): -450,600 -450,0 150,0 150,600 -450,600
VNEG3 on Bottom Layer "Mechanical 3-No Net" (solid, remove dead copper, shelved, pour order 8): -450,-50 -450,-650 150,-650 150,-50 -450,-50
VNEG4 on Bottom Layer "Mechanical 3-No Net" (solid, remove dead copper, shelved, pour order 8): -450,-700 -450,-1300 150,-1300 150,-700 -450,-700
V_GND1 on Top Layer "Mechanical 3-No Net" (solid, remove dead copper, shelved, pour order 5): -2100,1250 -2100,650 -475,650 -475,1250 -2100,1250
VNEG1 on Top Layer "Mechanical 3-No Net" (solid, remove dead copper, shelved, pour order 7): -450,1250 -450,650 150,650 150,1250 -450,1250
VNEG2 on Top Layer "Mechanical 3-No Net" (solid, remove dead copper, shelved, pour order 7): -450,600 -450,0 150,0 150,600 -450,600
V_GND2 on Top Layer "Mechanical 3-No Net" (solid, remove dead copper, shelved, pour order 5): -2100,600 -2100,0 -475,0 -475,600 -2100,600
VNEG3 on Top Layer "Mechanical 3-No Net" (solid, remove dead copper, shelved, pour order 7): -450,-50 -450,-650 150,-650 150,-50 -450,-50
V_GND3 on Top Layer "Mechanical 3-No Net" (solid, remove dead copper, shelved, pour order 5): -2100,-50 -2100,-650 -475,-650 -475,-50 -2100,-50
VNEG4 on Top Layer "Mechanical 3-No Net" (solid, remove dead copper, shelved, pour order 7): -450,-700 -450,-1300 150,-1300 150,-700 -450,-700
V_GND4 on Top Layer "Mechanical 3-No Net" (solid, remove dead copper, shelved, pour order 5): -2100,-700 -2100,-1300 -475,-1300 -475,-700 -2100,-700
NetL1_1 on Top Layer "Top Layer-No Net" (solid, shelved, pour order 18): 2150,400 1825,400 1825,-250 2150,-250 2150,400

## Keep-outs
Keep-Out Layer:
  lines w10: -2110,-1236.22 -2110,1236.22 ; -2110,63.78 -2108.78,63.78 ; -2108.78,-1236.22 2165.35,-1236.22 ; -2095,1236.22 -2110,1236.22 ; -2110,1236.22 2165.35,1236.22 2165.35,-1236.22 ; 2165.35,-1236.22 2165.35,-1236.22

## Silkscreen, mask and mechanical layers (free items; w line width, h text height)
Mechanical 1:
  lines w10: -2165.36,1220 -2165,1220 ; -2165,1220 -2165,1320 2165,1320 2165,-1320 -2165.36,-1320 -2165.36,-1220 -2110,-1220 -2110,1220 -2165,1220
Mechanical 2:
  lines w10: -1975,-975 1870.08,-975 ; -1975,-325 1870.08,-325 ; -1975,325 1870.08,325 ; -1975,975 1870.08,975 ; 984.25,-1318.9 984.25,0 984.25,1318.9 ; 2000,-86.61 2000,86.61